# Altium PCB controller_V1.1.PcbDoc (part 7 of 7)
Units mil, origin at the board's own origin, x right, y up, seen from the top; angles counter-clockwise.
Board outline 9606 x 5905.51 mil, 2 copper layers (Top Layer, Bottom Layer); 439 components, 370 nets, 1496 pads, 8411 vias.
Unrouted connection lines stored in the file: 1.
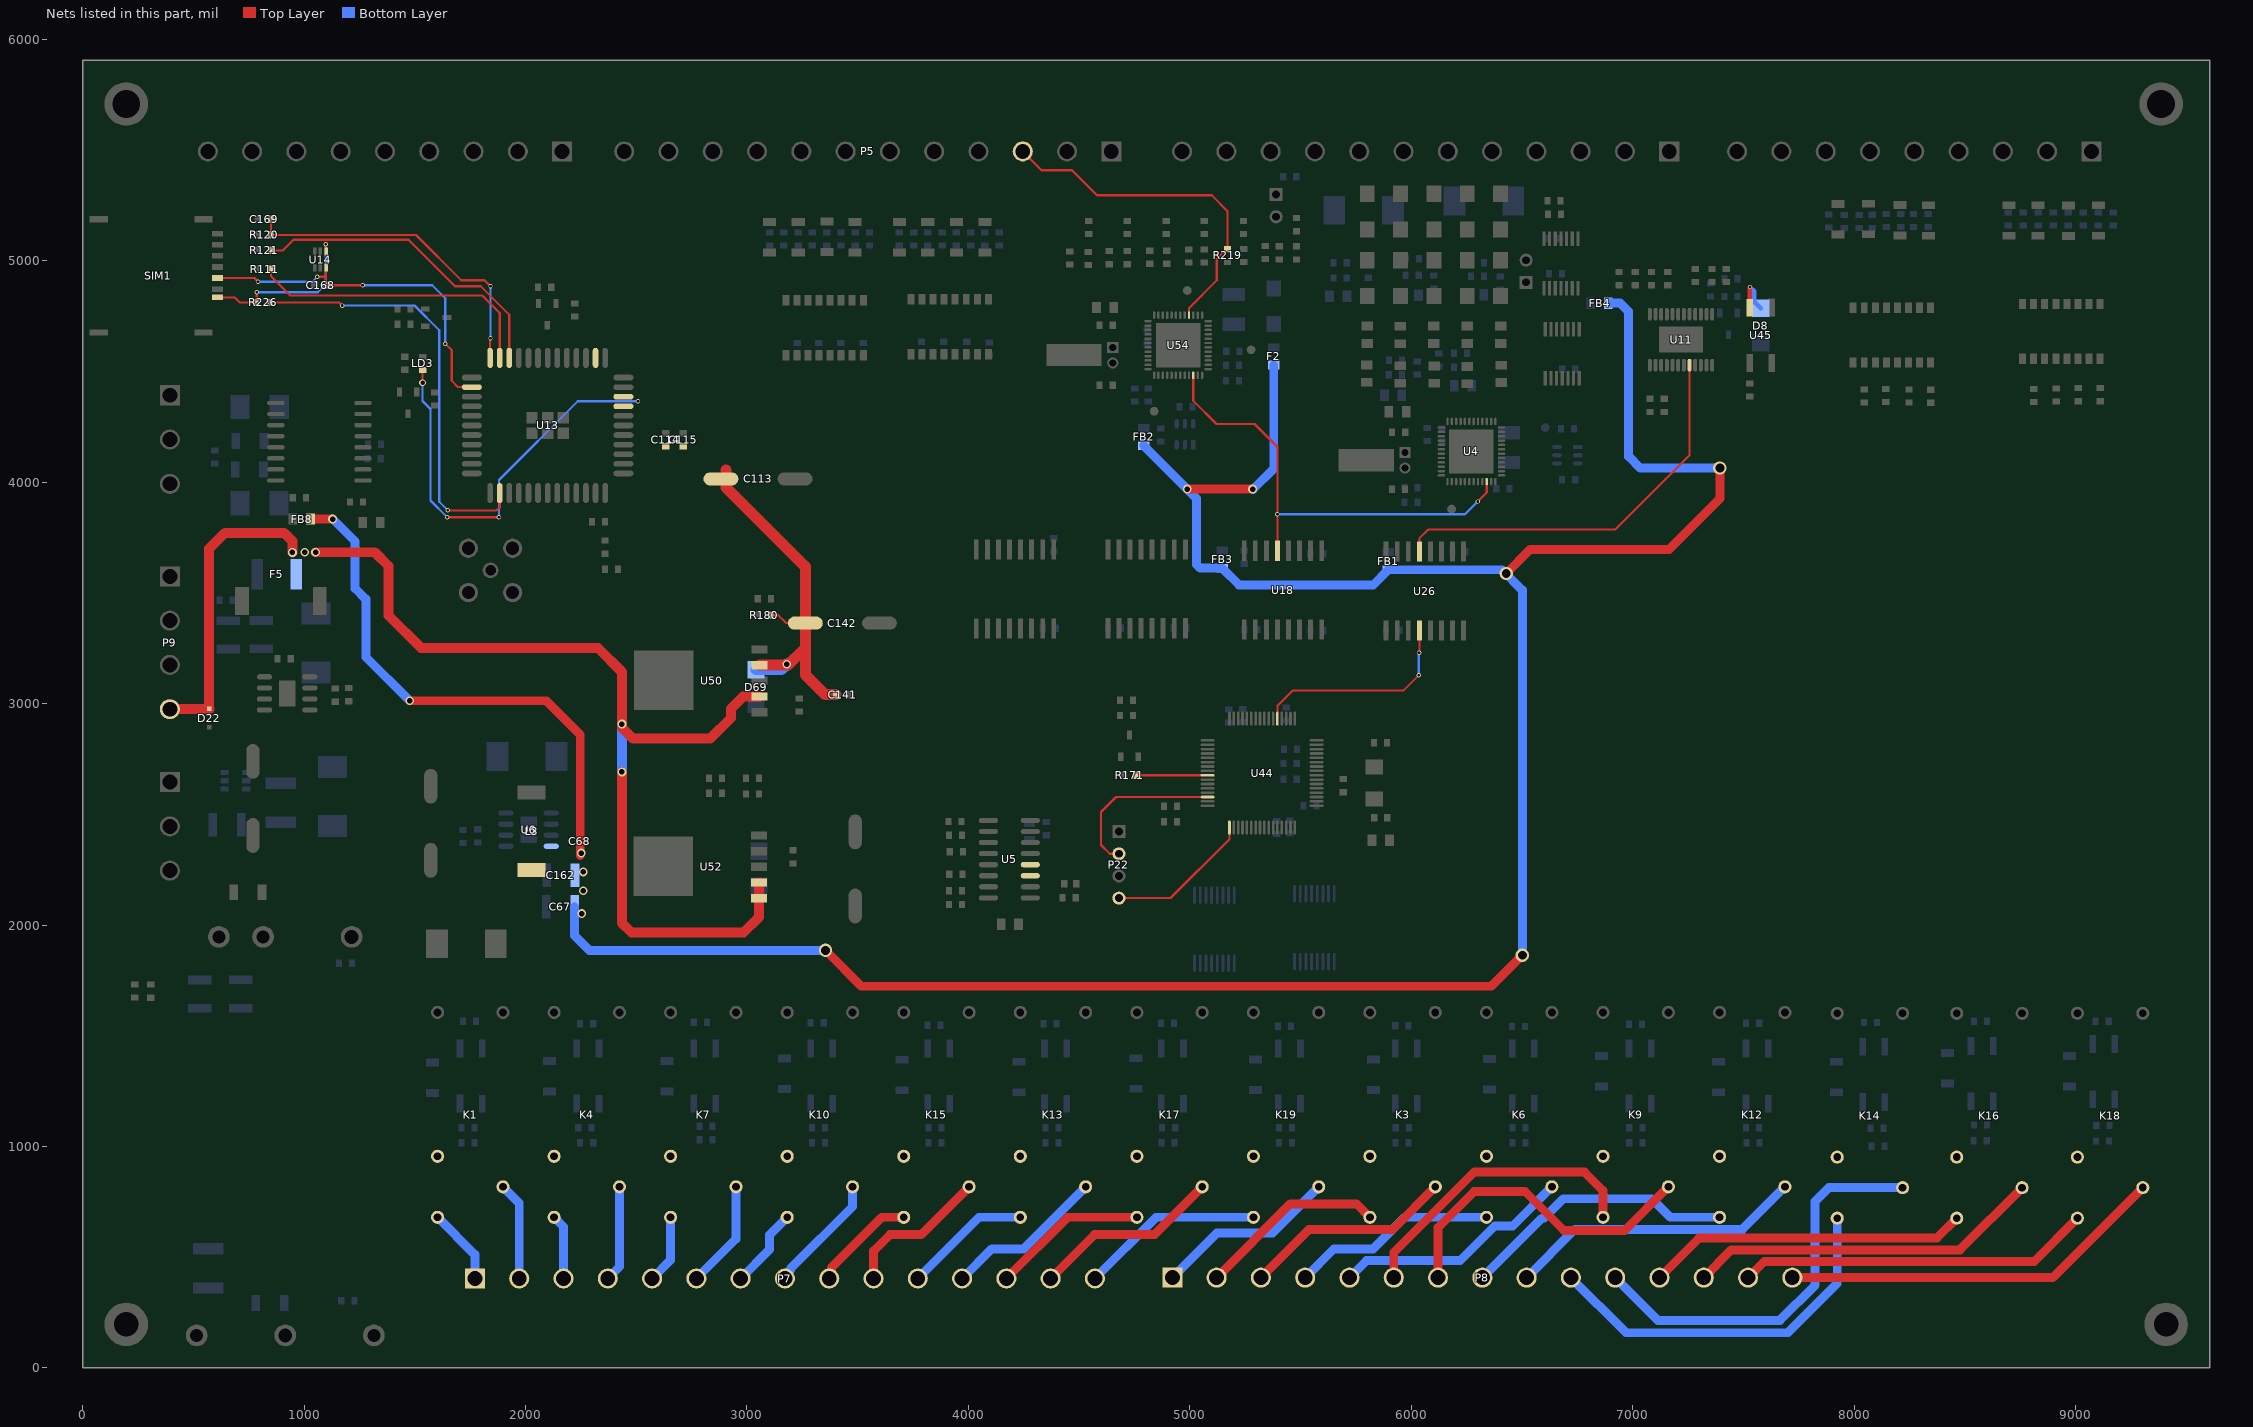
[diagram p7: the nets of this part, all layers, seen from the top]

## Via types
v1: diameter 20, hole 12, Top Layer to Bottom Layer, tented both sides, 8291 vias
v2: diameter 23.62, hole 11.81, Top Layer to Bottom Layer, 50 vias
v3: diameter 40, hole 25, Top Layer to Bottom Layer, tented both sides, 48 vias
v4: diameter 30, hole 20, Top Layer to Bottom Layer, tented both sides, 16 vias
v5: diameter 60, hole 40, Top Layer to Bottom Layer, tented both sides, 4 vias
v6: diameter 59.06, hole 39.37, Top Layer to Bottom Layer, 2 vias

## Nets (pads, with @x,y where several pads share a name; then routed paths per layer and width w, separated by ;. In a path a pad name is that pad's centre, name@x,y a point inside that pad or via, vN(x,y) a via of type N, cw(c..) or ccw(c..) an arc to the next point about the centre after c; other vN are vias at no path point) (continued)
PT100_B6: P5.3 R219.1 U54.40 | length 1580
  Top Layer w10: P5.3@4245.67,5494 4330.43,5409.24 4467.62,5409.24 4580.85,5296 5099,5296 5170.51,5224.49 R219.1@5170.51,5053.69 5167.56,5053.69 5122,5008.13 5122,4912 4996.38,4786.38 U54.40@4996.38,4754.83
relay_A1: K1.1 P7.2 | length 444.7
  Bottom Layer w40: K1.1@1898.13,818.21 1971.65,744.68 P7.2@1971.65,404
relay_A2: K4.1 P7.4 | length 436.1
  Bottom Layer w40: P7.4@2371.65,404 2424.46,456.81 K4.1@2424.45,818.21
relay_A3: K7.1 P7.6 | length 488.4
  Bottom Layer w40: P7.6@2771.65,404 2950.8,583.15 K7.1@2950.8,818.21
relay_A4: K10.1 P7.8 | length 540.7
  Bottom Layer w40: P7.8@3171.65,404 3171.65,417.68 3196.27,442.29 3196.27,448.27 3477.14,729.14 K10.1@3477.14,818.21
relay_A5: K13.1 P7.12 | length 729.7
  Bottom Layer w40: P7.12@3971.65,404 4105.65,538 4249.61,538 K13.1@4529.82,818.21
relay_A6: K15.1 P7.10 | length 675.8
  Top Layer w40: P7.10@3571.65,404 3571.65,527.65 3646,602 3787.28,602 K15.1@4003.48,818.21
relay_A7: K17.1 P7.14 | length 856.1
  Top Layer w40: P7.14@4371.65,404 4569.65,602 4839.95,602 K17.1@5056.16,818.21
relay_A8: K19.1 P8.1 | length 831.1
  Bottom Layer w40: P8.1@4921.26,408 5123.26,610 5374.29,610 K19.1@5582.5,818.21
relay_A9: K3.1 P8.3 | length 957.5
  Top Layer w40: P8.3@5321.26,408 5537.95,624.69 5915.31,624.69 K3.1@6108.83,818.21
relay_A10: K6.1 P8.5 | length 1083.8
  Bottom Layer w40: P8.5@5721.26,408 5798.39,485.13 6221.73,485.13 6377.71,641.11 6458.08,641.11 K6.1@6635.17,818.21
relay_A11: K9.1 P8.7 | length 1488.5
  Top Layer w40: P8.7@6121.26,408 6121.26,634.26 6284,797 6514,797 6690,621 6964.31,621 K9.1@7161.51,818.21
relay_A12: K12.1 P8.9 | length 1336.5
  Bottom Layer w40: P8.9@6521.26,408 6739.14,625.88 7495.53,625.88 K12.1@7687.85,818.21
relay_A13: K14.1 P8.11 | length 1847.9
  Bottom Layer w40: P8.11@6921.26,408 7114.26,215 7665,215 7824,374 7824,752.46 7885.75,814.21 K14.1@8219.28,814.21
relay_A14: K16.1 P8.13 | length 1606
  Top Layer w40: P8.13@7321.26,408 7446.26,533 8477.79,533 K16.1@8759,814.21
relay_A15: K18.1 P8.15 | length 1751.2
  Top Layer w40: P8.15@7721.26,408 8897.4,408 K18.1@9304,814.6
relay_B1: K1.3 P7.1 | length 346.3
  Bottom Layer w40: K1.3@1602.85,680.41 1771.65,511.61 P7.1@1771.65,404
relay_B2: K4.3 P7.3 | length 294
  Bottom Layer w40: K4.3@2129.17,680.41 2171.65,637.95 P7.3@2171.65,404
relay_B3: K7.3 P7.5 | length 311.2
  Bottom Layer w40: P7.5@2571.65,404 2655.53,487.87 K7.3@2655.53,680.41
relay_B4: K10.3 P7.7 | length 363.5
  Bottom Layer w40: P7.7@2971.65,404 3101.42,533.76 3101.42,599.96 K10.3@3181.87,680.41
relay_B5: K13.3 P7.11 | length 577.4
  Bottom Layer w40: P7.11@3771.65,404 4048.06,680.41 K13.3@4234.54,680.41
relay_B6: K15.3 P7.9 | length 473.5
  Top Layer w40: P7.9@3371.65,404 3381.33,413.67 3381.33,451.96 3609.78,680.41 K15.3@3708.2,680.41
relay_B7: K17.3 P7.13 | length 703.7
  Top Layer w40: P7.13@4171.65,404 4448.06,680.41 K17.3@4760.88,680.41
relay_B8: K19.3 P7.15 | length 830.1
  Bottom Layer w40: P7.15@4571.65,404 4848.06,680.41 K19.3@5287.22,680.41
relay_B9: K3.3 P8.2 | length 855.3
  Top Layer w40: P8.2@5121.26,408 5454.26,741 5752.97,741 K3.3@5813.56,680.41
relay_B10: K6.3 P8.4 | length 931.5
  Bottom Layer w40: P8.4@5521.26,408 5651.26,538 5828.63,538 5971.04,680.41 K6.3@6339.9,680.41
relay_B11: K9.3 P8.6 | length 1364.1
  Top Layer w40: P8.6@5921.26,408 5921.26,521.26 6285,885 6782,885 6866.24,800.76 K9.3@6866.24,680.41
relay_B12: K12.3 P8.8 | length 1253.4
  Bottom Layer w40: P8.8@6321.26,408 6589.25,675.99 6598.99,675.99 6687,764 7086,764 7169.59,680.41 K12.3@7392.57,680.41
relay_B13: K14.3 P8.10 | length 1692.7
  Bottom Layer w40: P8.10@6721.26,408 6970.26,159 7701,159 7924,382 K14.3@7924,676.41
relay_B14: K16.3 P8.12 | length 1453.6
  Top Layer w40: P8.12@7121.26,408 7300.26,587 8374.31,587 K16.3@8463.72,676.41
relay_B15: K18.3 P8.14 | length 1598.8
  Top Layer w40: P8.14@7521.26,408 7594.26,481 8812.92,481 K18.3@9008.72,676.8
relay_C1: K1.2
relay_C2: K4.2
relay_C3: K7.2
relay_C4: K10.2
relay_C5: K13.2
relay_C6: K15.2
relay_C7: K17.2
relay_C8: K19.2
relay_C9: K3.2
relay_C10: K6.2
relay_C11: K9.2
relay_C12: K12.2
relay_C13: K14.2
relay_C14: K16.2
relay_C15: K18.2
SCLK: U4.22 U18.13 U54.22 | length 2084.9
  Top Layer w10: U54.22@5016.06,4483.17 5016.06,4367.94 5121,4263 5292,4263 5395.85,4159.15 v1(5395.85,3855.5) U18.13@5395.85,3690.9 ; v1(6300,3913) 6341.06,3954.06 U4.22@6341.06,4003.17
  Bottom Layer w10: v1(5395.85,3855.5) 6242.5,3855.5 v1(6300,3913)
SCLK_AO: U11.8 U26.13 | length 1842.3
  Top Layer w10: U26.13@6036.85,3686.87 6036.85,3746.85 6077,3787 6922,3787 7256.92,4121.92 U11.8@7256.92,4528.84
SCLK_AO_MCU: U26.4 U44.21 | length 956.9
  Top Layer w10: U44.21@5395.79,2932.7 5395.79,2991.24 5463.54,3059 5964,3059 v1(6034,3129) ; v1@6034,3229 v1(6035.43,3230.43) 6036.85,3231.85 U26.4@6036.85,3330.87
  Bottom Layer w10: v1(6034,3129) v1@6034,3229
SIM_CLK: C169.1 R120.2 U13.13 | length 1482.6
  Top Layer w10: C169.1@849.95,5187 849.95,5117.1 R120.2@849.85,5117 1505,5117 1709.49,4912.51 1814.49,4912.51 v1(1842,4885) ; U13.13@1840.01,4561.55 1840.01,4646.3 1842,4648.29 v1(1842,4651)
  Bottom Layer w10: v1(1842,4651) v1(1842,4885)
SIM_DATA: R121.2 U13.11 | length 1431.6
  Top Layer w10: R121.2@849.85,5047 904.18,5047 952.18,5095 1472,5095 1681.6,4885.4 1797.38,4885.4 1926.62,4756.16 U13.11@1926.62,4561.55
SIM_PRE: R226.1 SIM1.8 U14.1 | length 773.7
  Top Layer w10: SIM1.8@609.02,4834.85 687.15,4834.85 710,4812 R226.1@785.95,4812 v1(785.95,4857.95) ; v1(1098,5075) 1098.8,5074.2 1098.8,5043.21 U14.1@1099.59,5042.42
  Bottom Layer w10: v1(785.95,4857.95) 1062.13,4857.95 1098,4893.82 v1(1098,5075)
SIM_RST: R111.2 U13.12 | length 1336.9
  Top Layer w10: R111.2@851,4963 851,4930 938,4843 1805,4843 1883.32,4764.68 U13.12@1883.32,4561.55
SIOUT0: D8.2 U45.4 | length 210.2
  Top Layer w20: U45.4@7528.54,4788 7528.54,4880.54 v1(7530,4882)
  Bottom Layer w20: v1(7530,4882) 7549.17,4862.83 7549.17,4815.85 D8.2@7578.54,4786.48
STATUS: R171.1 U44.41 | length 323
  Top Layer w10: R171.1@4757.91,2677 5080.62,2677 U44.41@5080.83,2676.8
SWCLK: P22.4 U44.49 | length 661.9
  Top Layer w10: P22.4@4680,2122 4913,2122 5179.25,2388.25 U44.49@5179.25,2440.57
SWDIO: P22.2 U44.46 | length 756.3
  Top Layer w10: P22.2@4680,2322 4639,2322 4599,2362 4599,2511 4666.37,2578.37 U44.46@5080.83,2578.37
uart_rxd1: U5.12
uart_txd1: U5.11
VBAT: C113.1 C114.2 C115.2 C141.2 C142.1 D69.2 LD3.1 R180.1 U13.42 U13.43 U50.4 | length 3695.8
  Top Layer w10: v4(1535.09,4448.91) LD3.1@1535.09,4506.99 ; v1(1647,3842) v1(1880,3842) ; R180.1@3108,3399 3142,3399 3177,3364 C142.1@3263.68,3364
  Top Layer w50: 2906,4056 2906,3976 3263.68,3618.32 C142.1@3263.68,3364 3263.68,3251.68 ; U50.4@3057.07,3174.07 3186.07,3174.07 3263.68,3251.68 ; C141.2@3402.94,3041 3353,3041 3263.68,3130.32 3263.68,3251.68
  Bottom Layer w10: v4(1535.09,4448.91) 1535.09,4366.91 1571,4331 1571,3918 v1(1647,3842) ; v1(1880,3842) 1880,4010 2236,4366 v1(2508,4366)
  Bottom Layer w50: D69.2@3041,3154 3156,3154 v3(3180,3178)
VBUS: U13.2
VCC_5V: D22.2 F5.2 P9.4 U50.2 U52.1 U52.2 | length 5831.3
  Top Layer w45: P9.4@393.86,2975 394.18,2975.32 D22.2@574,2975.32 ; D22.2@571,2976.68 571,3700 642,3771 910,3771 947,3734 v3(947,3683) ; v3(1052,3684) 1319,3684 1381,3622 1381,3398.74 1528.74,3251 2328,3251 2435,3144 v3(2435,2908) 2435,2893 2486,2842 2833.86,2842 2927.66,2935.8 2927.66,2976.87 2983.13,3032.34 U50.2@3057.07,3032.34 ; v3(2435,2692) 2435,2010 2479,1966 2985,1966 3054.52,2035.52 U52.1@3054.52,2121.55 U52.2@3054.52,2192.42
  Bottom Layer w45: v3(2435,2692) v3(2435,2908)
  other v3: 1003,3684
VCC_5V_ISO: C67.1 C68.1 C162.1 F2.1 FB1.1 FB2.1 FB3.1 FB4.1 FB8.2 L3.2 U6.4 | length 14203.1
  Top Layer w40: FB8.2@1028.74,3834 v3(1129,3834) ; v3(1477,3013) 2094,3013 2247,2860 v3@2247,2315 ; v5(3355,1886) 3517,1724 6362,1724 v5(6502,1864) ; v3(4988.31,3969.28) v3(5284.05,3969.28) ; v5(6429,3588) 6538,3697 7165,3697 7394,3926 v5(7394,4064)
  Bottom Layer w40: v3(1129,3834) 1230,3733 1230,3521 1279,3472 1279,3211 v3(1477,3013) ; C67.1@2221.85,2083 2221.85,1952.15 2288,1886 v5(3355,1886) ; FB2.1@4792.17,4165.42 5030,3927.58 5030,3629 5047,3612 FB3.1@5146.85,3612 5222.85,3536 5652,3536 5827.85,3536 FB1.1@5896.85,3605 6410,3605 6502,3513 v5(6502,1864) ; v3@5285.66,3967.66 5379,4061 F2.1@5379,4529.26 ; FB4.1@6890,4809 6944,4809 6982,4771 6982,4117 7035,4064 v5(7394,4064)
  other v3: 2254,2052 2261,2155 2261,2240 2252,2325
VEXT: R226.2 U13.24 | length 1951.2
  Top Layer w10: R226.2@845.01,4812 1158,4812 v1(1172,4798) ; v1(1649,3873) 1869,3873 1883.32,3887.32 U13.24@1883.32,3951.32
  Bottom Layer w10: v1(1172,4798) 1499.05,4798 1610,4687.05 1610,3912 v1(1649,3873)
VSIM: C168.2 SIM1.1 U13.14 U14.6 | length 1634.6
  Top Layer w10: SIM1.1@609.02,4922.25 775.75,4922.25 v1(792,4906) ; v1(1060,4928) 1095.09,4928 1099.59,4932.5 ; U14.6@1099.59,4969.58 1099.59,4932.5 ; v1(1264,4890) C168.2@1105,4890 1099.59,4895.41 1099.59,4932.5 ; v1(1638,4626) 1667,4597 1667,4458 1695.34,4429.66 U13.14@1757.33,4429.66
  Bottom Layer w10: v1(792,4906) 1038,4906 v1(1060,4928) ; v1(1264,4890) 1579,4890 1638,4831 v1(1638,4626)
pads on no net: SIM1.6 T1.1 T3.1 T6.1 T7.1 U1.3 U1.5 U2.12 U2.13 U2.14 U3.1 U3.2 U3.3 U3.12 U3.13 U3.14 U4.1 U4.2 U4.3 U4.4 U4.17 U4.18 U4.19 U4.41 U4.42 U4.43 U4.44 U4.45 U4.46 U4.47 U4.48 U6.2 U6.3 U10.5 U10.6 U10.11 U10.12 U11.6 U11.17 U11.18 U11.23 U13.5 U13.6 U13.8 U13.9 U13.19 U13.20 U13.21 U13.22 U13.23 U13.25 U13.26 U13.28 U13.29 U13.30 U13.31 U13.32 U13.33 U13.38 U13.39 U13.44 U13.96 U13.97 U13.98 U22.9 U22.15 U26.7 U44.61 U44.62 U51.2 U51.3 U54.17 U54.18 U54.19 U54.33 U54.34 U54.35 U54.36 U54.43 U54.44 U56.3 U56.5

## Polygon pours and split planes (outlines as drawn)
AGND on Top Layer "AGND_L01_P006" (solid, remove dead copper, pour order 6): 453,6407 487,6441 10346,6441 10346,437 9862,921 -633,921 -633,4478 -613.5,4497.5 881.5,4497.5 990,4389 990,4037 1048.58,3978.42 1048.58,3879.36 1031.93,3862.71 297.12,3862.71 232,3797.58 232,2101 273,2060 274.49,2061.49 430,2061.49 430,1853 391,1814 386.29,1818.71 158.33,1818.71 158.33,1798.33 132,1772 132,1663.08 169.08,1626 459.29,1626 473,1612.29 473,1482 495,1460 1094,1460 1138.26,1504.26 1138.26,2052.26 1148,2062 1150,2060 1385.13,2060 1389,2063.87 1389,2810 1412,2833 2176,2833 2176,1753 2142,1719 1522,1719 1522,1339.01 1508.99,1326 9162.45,1326 9162.45,4602.55 9071,4694 7843,4694 7779,4630 7779,3987 7694,3902 7692,3904 6713,3904 6713,3600 6672,3559 4021,3559 4021,3989 4276,4244 4260,4260 4260,5184 4165,5279 678,5279 502,5455 502,6452
GND on Top Layer "GND_L01_P002" (solid, remove dead copper, pour order 2): -221,6108 -143,6186 10497,6186 10497,1043 -230,1043 -433,1246 -232,1447 -232,6114
AGND on Bottom Layer "AGND_L02_P007" (solid, remove dead copper, pour order 7): 453,6407 487,6441 10346,6441 10346,877 10247,976 -633,976 -633,4478 -613.5,4497.5 881.5,4497.5 990,4389 990,4037 1048.58,3978.42 1048.58,3879.36 1031.93,3862.71 297.12,3862.71 232,3797.58 232,2101 273,2060 274.49,2061.49 430,2061.49 430,1853 391,1814 386.29,1818.71 158.33,1818.71 158.33,1798.33 132,1772 132,1663.08 169.08,1626 459.29,1626 473,1612.29 473,1482 495,1460 1094,1460 1138.26,1504.26 1138.26,2052.26 1148,2062 1150,2060 1385.13,2060 1389,2063.87 1389,2810 1412,2833 2280.92,2833 2280.92,1857.92 2142,1719 1522,1719 1522,1339.01 1508.99,1326 9162.45,1326 9162.45,4602.55 9071,4694 7843,4694 7779,4630 7779,3987 7694,3902 7692,3904 6713,3904 6713,3600 6672,3559 4021,3559 4021,3989 4276,4244 4260,4260 4260,5184 4165,5279 678,5279 502,5455 502,6452
GND on Bottom Layer "GND_L02_P003" (solid, remove dead copper, pour order 3): -150,5903.5 -72,5981.5 10799,5981.5 10799,955 10682.5,838.5 -159,838.5 -362,1041.5 -161,1242.5 -161,5909.5

## Keep-outs
Keep-Out Layer:
  lines w10: 12,12 12,5890 9594,5890 9594,12 12,12

## Other copper
Top Layer:
  rectangle net AGND: 789,46 1042,1059
  rectangle net VCC_5V: 925,3642 1075,3718
  rectangle net NetC139_1: 1043,3380 1239,3526
  rectangle net NetC137_1: 1839,2557 1971,2605
  rectangle net NetC137_1: 1839,2605 1945,2657
  rectangle net NetC137_1: 1839,2569 2076,2632
  rectangle net 24V_IN: 740,2321 1205,2517
  region net VBAT: 2373,4400 2544,4400 2580,4364 2580,4193 2591.61,4181.39 2859.61,4181.39 2986,4055 2986,3973 2971,3958 2756,3958 2534,4180 2534,4273 2477,4330 2469,4330 2388,4330 2373,4345
  pour cut-out: 1776,3547 2394,3547 2394,3885.87 2331,3885.87 2331,3657 1776,3657
  region net VCC_5V_ISO: 2092.59,2369.29 2270.71,2369.29 2283,2357 2283,2017 2268,2002 2195,2002 2174,2023 2174,2208 2159.59,2222.41 1963.59,2222.41 1950,2236 1950,2283 1964,2297 2067,2297 2081,2311 2081,2357.03 2092.59,2368.62
Bottom Layer:
  rectangle net VCC_5V: 925,3510 1079,3718
  region net VCC_5V_ISO: 2086.8,2362.83 2276.54,2362.83 2276.86,2363.14 2278,2362 2278,2012 2268,2002 2195,2002 2179,2018 2179,2298 2135.25,2341.75 2086.25,2341.75 2081,2347 2081,2357.03
  region net NetC137_1: 1874,2494 1940,2494 1946,2500 1946,2825 1932,2839 1809,2839 1793,2823 1793,2631 1867,2557 1867,2501
  region net NetC143_1: 669,3498 664,3493 664,3433 640,3409 603,3409 589,3395 589,3362 599,3352 865,3352 875,3362 875,3447 825,3497 825,3710 798,3737 715,3737 664,3686 664,3492
  region net 24V_IN: 1191,2520 1209,2502 1209,2341 1191,2323 749,2323 686,2386 686,2518 688,2520
  region net NetF1_1: 956,2706 973,2689 973,2620 964,2611 822,2611 754,2679 718,2679 718,2704 720,2706
  region net NetP10_1: 486,2692 512,2667 757,2667 765,2659 765,2604 757,2596 333,2596 324,2605 324,2680 336,2692

## Silkscreen, mask and mechanical layers (free items; w line width, h text height)
Top Overlay:
  text "COM" at 553,6182 h60 r270
  text "DI8" at 761.09,6182 h60 r270
  text "DI7" at 969.17,6182 h60 r270
  text "DI6" at 1177.26,6182 h60 r270
  text "DI5" at 1385.35,6182 h60 r270
  text "DI4" at 1593.43,6182 h60 r270
  text "DI3" at 1801.52,6182 h60 r270
  text "DI2" at 2009.61,6182 h60 r270
  text "DI1" at 2217.7,6182 h60 r270
  text "PT62" at 2425.78,6182 h60 r270
  text "PT61" at 2633.87,6182 h60 r270
  text "PT52" at 2841.96,6182 h60 r270
  text "PT51" at 3050.04,6182 h60 r270
  text "PT42" at 3258.13,6182 h60 r270
  text "PT41" at 3466.22,6182 h60 r270
  text "PT32" at 3674.3,6182 h60 r270
  text "PT31" at 3882.39,6182 h60 r270
  text "PT22" at 4090.48,6182 h60 r270
  text "PT21" at 4298.56,6182 h60 r270
  text "PT12" at 4506.65,6182 h60 r270
  text "PT11" at 4714.74,6182 h60 r270
  text "GND" at 4922.82,6182 h60 r270
  text "NC" at 5130.91,6182 h60 r270
  text "24V" at 5339,6182 h60 r270
  text "NC" at 5547.09,6182 h60 r270
  text "NC" at 5755.17,6182 h60 r270
  text "NC" at 5963.26,6182 h60 r270
  text "AI5" at 6171.35,6182 h60 r270
  text "AI4" at 6379.43,6182 h60 r270
  text "AI3" at 6587.52,6182 h60 r270
  text "AI2" at 6795.61,6182 h60 r270
  text "AI1" at 7003.69,6182 h60 r270
  text "NC" at 7211.78,6182 h60 r270
  text "COM" at 7419.87,6182 h60 r270
  text "DI9" at 7627.95,6182 h60 r270
  text "DI9" at 7836.04,6182 h60 r270
  text "DI9" at 8044.13,6182 h60 r270
  text "DI9" at 8252.22,6182 h60 r270
  text "DI9" at 8460.3,6182 h60 r270
  text "DI9" at 8668.39,6182 h60 r270
  text "DI9" at 8876.48,6182 h60 r270
  text "DI9" at 9084.56,6182 h60 r270
  text "GND" at -465,4370 h60
  text "485_B" at -465,4181 h60
  text "485_A" at -465,3983 h60
  text "GND" at -465,3565.41 h60
  text "DI9" at -465,3339.5 h60
  text "RT" at -465,3113.6 h60
  text "RR" at -465,2887.7 h60
  text "VIN(24V)" at -465,2661.8 h60
  text "GND" at -465,2435.9 h60
  text "3.3V" at 4450,2403 h40
  text "SWDIO" at 4764,2319 h40
  text "GND" at 4764,2217 h40
  text "EARTH" at -465,2210 h60
  text "SWCLK" at 4764,2112 h40
  text "DO15" at 1990,-63 h60 r270
  text "DO14" at 2398.71,-63 h60 r270
  text "DO13" at 2807.43,-63 h60 r270
  text "DO12" at 3216.14,-63 h60 r270
  text "DO11" at 3624.86,-63 h60 r270
  text "DO10" at 4033.57,-63 h60 r270
  text "DO9" at 4442.29,-63 h60 r270
  text "DO8" at 4851,-63 h60 r270
  text "DO7" at 5259.71,-63 h60 r270
  text "DO6" at 5668.43,-63 h60 r270
  text "DO5" at 6077.14,-63 h60 r270
  text "DO4" at 6485.86,-63 h60 r270
  text "DO3" at 6894.57,-63 h60 r270
  text "DO2" at 7303.28,-63 h60 r270
  text "DO1" at 7712,-63 h60 r270
Bottom Overlay:
  text "GND" at 153,3082 h40
Mechanical 1:
  lines w5: -1256.25,-8664.02 ccw(c-1177.51,-8664.02) -1177.51,-8742.76 ; 9846.11,-8742.76 ccw(c9846.11,-8664.02) 9924.85,-8664.02
  lines w10: 9606,0 0,0 0,5905.51 9606.3,5905.51 9606.3,0